# Altium PCB Layout.PcbDoc (part 1 of 4) (continued)
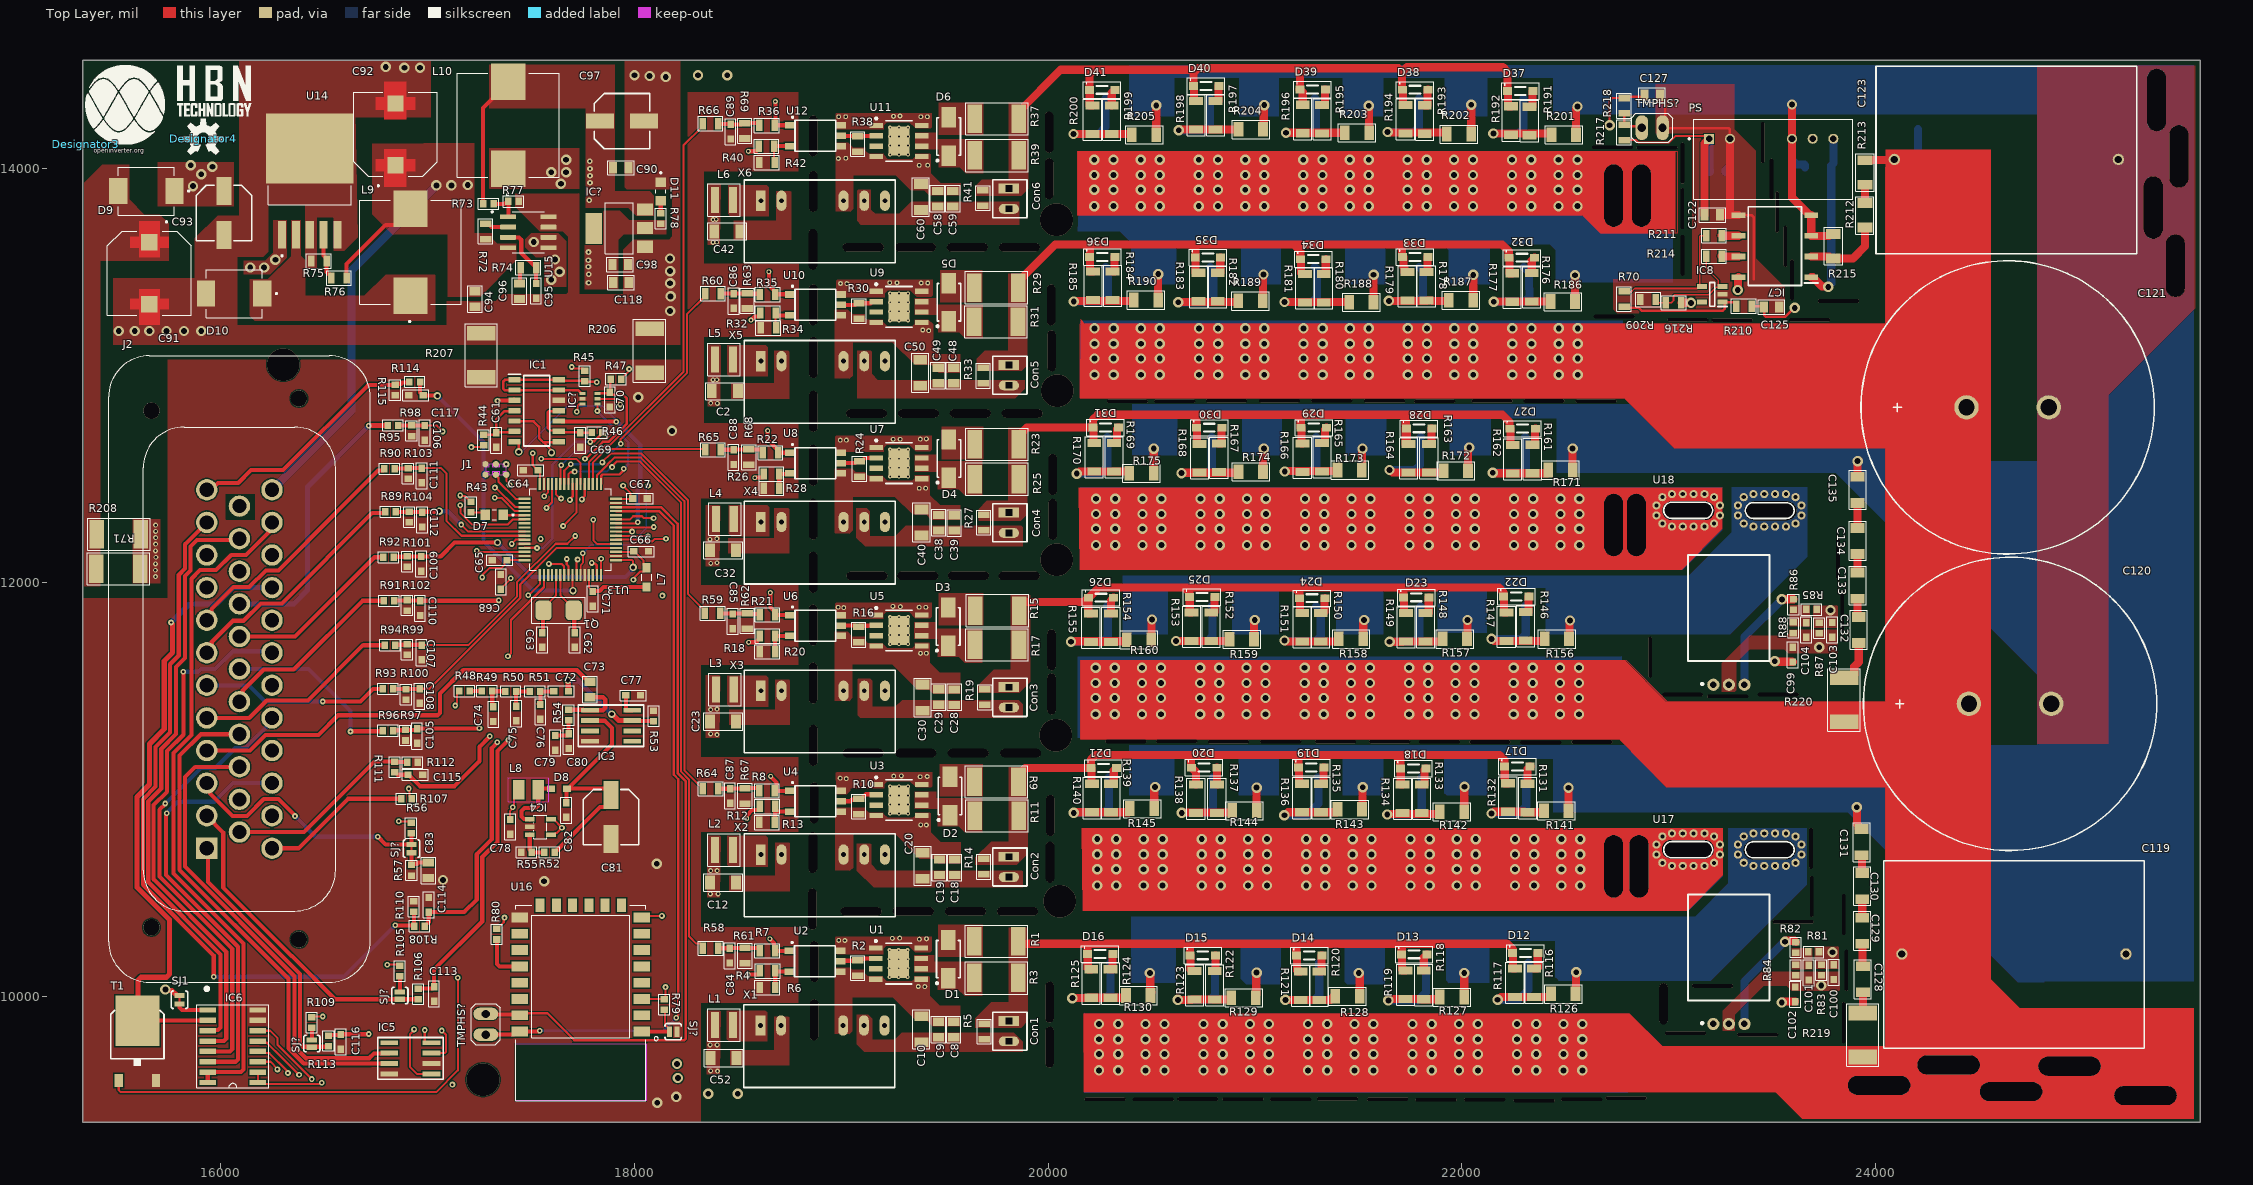
[diagram p0: Top Layer view]
## Components (designator, comment, footprint, x,y, rotation, side; value= is the part's Value field where it differs from the comment)
C1 "2.2u" C-0805 19185.44,9958.27 r0 bottom
C2 "4.7uF" C-1206 18437.81,12924.05 r180 top
C3 "4.7uF" C-1206 18665.34,9958.27 r180 bottom
C4 "2.2u" C-0805 19055.32,9958.27 r0 bottom
C5 "100n" C-0805 18999.02,10176.97 r90 bottom
C6 "uF" C-1206 19393.22,10163.87 r90 bottom
C7 "uF" C-1206 19086.57,10168.67 r90 bottom
C8 "10n" C-0805 19543.59,9838.64 r90 top
C9 "100n" C-0805 19470.43,9838.59 r90 top
C10 "4.7uF" C-1206 19387.8,9840 r270 top
C11 "2.2u" C-0805 19178.34,10774.13 r0 bottom
C12 "4.7uF" C-1206 18429.13,10549.21 r180 top
C13 "4.7uF" C-1206 18655.51,10788.39 r180 bottom
C14 "2.2u" C-0805 19050.34,10774.13 r0 bottom
C15 "100n" C-0805 19008.18,10941.89 r90 bottom
C16 "uF" C-1206 19090.46,10942.09 r90 bottom
C17 "uF" C-1206 19400.59,10945.87 r90 bottom
C18 "10n" C-0805 19548.65,10622.2 r90 top
C19 "100n" C-0805 19475.21,10622.2 r90 top
C20 "4.7uF" C-1206 19393.22,10629.93 r270 top
C21 "2.2u" C-0805 19177.17,11575.63 r0 bottom
C22 "4.7uF" C-1206 18680.01,11575.63 r180 bottom
C23 "4.7uF" C-1206 18428.94,11326.96 r180 top
C24 "2.2u" C-0805 19051.08,11575.63 r0 bottom
C25 "100n" C-0805 18999.02,11784.46 r90 bottom
C26 "uF" C-1206 19400.59,11764.77 r90 bottom
C27 "uF" C-1206 19091.27,11775.19 r90 bottom
C28 "10n" C-0805 19547.17,11445.04 r90 top
C29 "100n" C-0805 19470.76,11445.62 r90 top
C30 "4.7uF" C-1206 19393.34,11442.5 r270 top
C31 "2.2u" C-0805 19178.15,12382.87 r0 bottom
C32 "4.7uF" C-1206 18428.95,12154.43 r180 top
C33 "4.7uF" C-1206 18658.36,12391.34 r180 bottom
C34 "2.2u" C-0805 19043.31,12381.77 r0 bottom
C35 "100n" C-0805 19018.7,12575.94 r90 bottom
C36 "uF" C-1206 19090.63,12571.5 r90 bottom
C37 "uF" C-1206 19400.59,12573.98 r90 bottom
C38 "10n" C-0805 19471.05,12287.79 r90 top
C39 "100n" C-0805 19546.76,12286.76 r90 top
C40 "4.7uF" C-1206 19388.29,12288.91 r270 top
C41 "2.2u" C-0805 19170.31,13168.53 r0 bottom
C42 "4.7uF" C-1206 18449.84,13695.65 r180 top
C43 "4.7uF" C-1206 18663.38,13159.71 r180 bottom
C44 "2.2u" C-0805 19042.86,13168.53 r0 bottom
C45 "100n" C-0805 19005.22,13340.51 r90 bottom
C46 "uF" C-1206 19088.48,13323.82 r90 bottom
C47 "uF" C-1206 19411.4,13332.18 r90 bottom
C48 "10n" C-0805 19543.03,12999.16 r90 top
C49 "100n" C-0805 19468.36,12999.16 r90 top
C50 "4.7uF" C-1206 19382.14,13012.61 r270 top
C51 "2.2u" C-0805 19178.15,13943.95 r0 bottom locked
C52 "4.7uF" C-1206 18431.43,9700.87 r180 top
C53 "4.7uF" C-1206 18663.38,13945.56 r180 bottom locked
C54 "2.2u" C-0805 19045.81,13943.95 r0 bottom
C55 "100n" C-0805 18997.22,14155.47 r90 bottom locked
C56 "uF" C-1206 19087.5,14142.09 r90 bottom
C57 "uF" C-1206 19400.6,14130.27 r90 bottom locked
C58 "10n" C-0805 19465.84,13854.02 r90 top locked
C59 "100n" C-0805 19539.95,13854.02 r90 top locked
C60 "4.7uF" C-1206 19385.15,13861.43 r270 top locked
C61 "*" C-0603W 17332.82,12687.26 r270 top value=1µ
C62 "22Pf" C-0603W 17712.85,11721.27 r90 top
C63 "22Pf" C-0603W 17556.37,11721.25 r90 top
C64 "1uF" C-0603W 17499.53,12540.24 r0 top
C65 "1uF" C-0603W 17349.2,12106.98 r0 top
C66 "1uF" C-0603W 18033.1,12148.99 r180 top
C67 "1uF" C-0603W 18027.91,12404.83 r180 top
C68 "1uF" C-0603W 17355.28,12001.98 r270 top
C69 "*" C-0603W 17738.4,12687.26 r270 top value=1µ
C70 "*" C-0603W 17882.37,12882.63 r270 top value=1nF
C71 "1uF" C-0603W 17799.72,11920.22 r90 top
C72 "*" C-0603W 17646.42,11472.24 r0 top value=22n
C73 "*" C-0805 17786.32,11481.89 r90 top value=10µ
C74 "*" C-0603W 17319.65,11362.79 r270 top value=22n
C75 "*" C-0603W 17428.91,11365.95 r270 top value=22n
C76 "*" C-0603W 17546.31,11373.89 r270 top value=22n
C77 "*" C-0603W 17994.78,11453.38 r180 top value=1µ
C78 "*" C-0603W 17399.9,10818.53 r270 top value=1µ
C79 "*" C-0603W 17618.37,11224.41 r90 top value=22n
C80 "*" C-0603W 17682.84,11232.09 r90 top value=22n
C81 "470uF" CapSmdElc 17887.72,10864.79 r270 top
C82 "*" C-0603W 17671.77,10899.13 r90 top value=1µ
C83 "C-0805" C-0805 17005.1,10608.16 r90 top
C84 "150pF" C-0603W 18461.85,10195.67 r90 top
C85 "150pF" C-0603W 18476.74,11811.15 r90 top
C86 "150pF" C-0603W 18481.34,13359.25 r90 top
C87 "150pF" C-0603W 18463.41,10967.52 r90 top
C88 "150pF" C-0603W 18480.36,12604.4 r90 top
C89 "150pF" C-0603W 18465.59,14177.32 r90 top
C90 "22uF" C-0805 17935.45,14002.66 r180 top
C91 "330UF" CAP_EEETC1C331V#1 15656.89,13493.69 r270 top
C92 "330UF" CAP_EEETC1C331V#2 16846.14,14164.39 r90 top
C93 "100uF" CapSmdElc 16017.24,13784.05 r270 top
C94 "22uF" C-0805 17230.17,13369.12 r90 top
C95 "51pF" C-0603W 17526.1,13408.49 r90 top
C96 "10nF" C-0805 17445.39,13406.52 r90 top
C97 "100uF" CapSmdElc 17940.54,14228.32 r0 top
C98 "22uF" C-0805 17932.09,13535.46 r180 top
C99 "C-0603" C-0603W 23598.63,11650.3 r270 top
C100 "C-0603" C-0603W 23797.02,10116.07 r90 top
C101 "C-0603" C-0603W 23675.72,10113.6 r90 top
C102 "C-0603" C-0603W 23609.41,10008.83 r270 top
C103 "C-0603" C-0603W 23789.39,11770.06 r90 top
C104 "C-0603" C-0603W 23664.05,11769.66 r90 top
C105 "C-0603" C-0603W 16950.85,11256.97 r90 top
C106 "C-0603" C-0603W 16987.36,12722.34 r90 top
C107 "C-0603" C-0603W 16971.88,11660.53 r90 top
C108 "C-0603" C-0603W 16962.4,11450.08 r90 top
C109 "C-0603" C-0603W 16971.66,12089.36 r90 top
C110 "C-0603" C-0603W 16965.26,11874.94 r90 top
C111 "C-0603" C-0603W 16973.15,12515.64 r90 top
C112 "C-0603" C-0603W 16975.74,12302.93 r90 top
C113 "C-0603" C-0603W 17033.1,10010.58 r90 top
C114 "C-0603" C-0603W 17006.8,10441.33 r270 top
C115 "C-0603" C-0603W 16942.11,11069.7 r180 top
C116 "C-0603" C-0603W 16582.68,9779.29 r90 top
C117 "C-0603" C-0603W 16945.08,12902.75 r0 top
C118 "22uF" C-0805 17935.73,13448.7 r180 top
C119 "22uF 500V" "CAP.POL 22UF 500VDC - duplicate" 24125.98,10203.74 r0 top
C120 "400V 1000uf" "Koshin 63v 4700 cap" 24847.44,11412.4 r180 top
C121 "400V 1000uf" "Koshin 63v 4700 cap" 24835.67,12845.09 r180 top
C122 "C-0805" C-0805 23209.73,13775.09 r180 top
C123 "22uF 500V" "CAP.POL 22UF 500VDC - duplicate" 24089.57,14043.31 r0 top
C124 "C-0805" C-0805 23236.3,13983.02 r180 bottom
C125 "C-0805" C-0805 23495.8,13330.29 r180 top
C126 "uF" C-1206 23721.46,14004.92 r0 bottom
C127 "C-0805" C-0805 22919.29,14354.33 r180 top
C128 "uF" C-1206 23937.27,10081.69 r270 top
C129 "uF" C-1206 23934.06,10315.94 r270 top
C130 "uF" C-1206 23934.06,10531.5 r270 top
C131 "uF" C-1206 23931.1,10744.09 r270 top
C132 "uF" C-1206 23917.76,11769.45 r270 top
C133 "uF" C-1206 23911.86,11983.72 r270 top
C134 "uF" C-1206 23911.86,12199.79 r270 top
C135 "uF" C-1206 23911.86,12446.56 r270 top
C136 "uF" C-1206 24204.72,13454.46 r270 bottom
C137 "uF" C-1206 24204.33,13727.49 r270 bottom
C138 "uF" C-1206 24204.72,13990.9 r270 bottom
C139 "uF" C-1206 24204.35,14251.97 r270 bottom
Con1 "Connector2_1" Conn 19810.51,9878.87 r0 top
Con2 "Connector2_2" Conn 19810.51,10672.8 r0 top
Con3 "Connector2_1" Conn 19810.51,11492.28 r0 top
Con4 "Connector2_2" Conn 19810.51,12335.78 r0 top
Con5 "Connector2_1" Conn 19810.51,13048.99 r0 top
Con6 "Connector2_2" Conn 19810.51,13901.94 r0 top
D1 "do214" DO-214AC 19517.52,10178.54 r90 top
D2 "do214" DO-214AC 19525.71,10967.48 r90 top
D3 "do214" DO-214AC 19516.85,11785.44 r90 top
D4 "do214" DO-214AC 19520.45,12597.6 r90 top
D5 "do214" DO-214AC 19520.45,13353.35 r90 top
D6 "do214" DO-214AC 19519.48,14153.9 r90 top locked
D7 "ALIVE" LED_7012X1 17323.43,12325.59 r180 top
D8 "*" SOD-323F 17636.34,11002.58 r0 top value=SBR1A40S3-7
D9 "SK54" DIOM7959X265N 15641.94,13890.35 r180 top
D10 "SK54" DIOM7959X265N 16066.46,13395.08 r180 top
D11 "ALIVE" LED_7012X1 18127.99,13888.65 r270 top
D12 "1n4148" SOD123 22247.54,10206.69 r0 top locked
D13 "1n4148" SOD123 21710.3,10199.71 r0 top
D14 "1n4148" SOD123 21203.25,10193.9 r0 top
D15 "1n4148" SOD123 20688.52,10194.88 r0 top
D16 "1n4148" SOD123 20191.98,10201.62 r0 top
D17 "1n4148" SOD123 22209.06,11107.23 r0 top
D18 "1n4148" SOD123 21706.38,11098.21 r0 top
D19 "1n4148" SOD123 21212.91,11102.36 r0 top
D20 "1n4148" SOD123 20694.82,11102.22 r0 top
D21 "1n4148" SOD123 20208.81,11100.63 r0 top
D22 "1n4148" SOD123 22203.7,11929.13 r0 top
D23 "1n4148" SOD123 21720.71,11924.92 r0 top
D24 "1n4148" SOD123 21216.9,11920.61 r0 top
D25 "1n4148" SOD123 20684.87,11927.19 r0 top
D26 "1n4148" SOD123 20196.49,11923 r0 top
D27 "1n4148" SOD123 22234.22,12740.14 r0 top
D28 "1n4148" SOD123 21733.5,12741.64 r0 top
D29 "1n4148" SOD123 21225.08,12744.94 r0 top
D30 "1n4148" SOD123 20719.8,12744.33 r0 top
D31 "1n4148" SOD123 20219.25,12745.83 r0 top
D32 "1n4148" SOD123 22230.67,13565.94 r0 top
D33 "1n4148" SOD123 21714.88,13569.88 r0 top
D34 "1n4148" SOD123 21222.93,13559.06 r0 top
D35 "1n4148" SOD123 20713.47,13567.46 r0 top
D36 "1n4148" SOD123 20203.01,13570.06 r0 top
D37 "1n4148" SOD123 22222.85,14372.05 r0 top
D38 "1n4148" SOD123 21715.06,14377.95 r0 top
D39 "1n4148" SOD123 21218.8,14379.11 r0 top
D40 "1n4148" SOD123 20704.68,14396.08 r0 top
D41 "1n4148" SOD123 20201.92,14377.49 r0 top
Designator3 "Comment" OI_LOGO 15348.43,14116.14 r0 top
Designator4 "Comment" OSHW-LOGO-M 15916.92,14143.31 r0 top
IC1 "LM2901AVQDRQ1" SOIC127P600X175-14N 17528.11,12829.11 r0 top
IC3 "TDA2822D" SO08 17887.96,11306.69 r270 top
IC4 "MIC2288YD5" SOT23-5L 17546.05,10817.45 r270 top
IC5 "SN65HVD230DR" SO08 16918.22,9699.54 r90 top
IC6 "ULN2003AD" SO16 16060.1,9757.87 r90 top
IC7 "SI8920BC-IP" SOP254P965X419-8N 23511.81,13624.02 r180 top
IC8 "OPA344NA_250G4" SOT95P280X145-5N 23209.65,13391.73 r180 top
IC? "NC7SZ10P6X" SC70-6 17786.34,12886.65 r270 top
IC? "REG1117" SOT223 17927.68,13710.65 r90 top
J1 "TC2030_SWD-MCP" TC2030-MCP 17431.3,12545.32 r180 top
J2 "Conn Power HDR 35 POS" TE_776230-2 16091.93,11580.6 r90 top locked
L1 "47uH" WE-TPC_282892 18433.07,9861.45 r90 top
L2 "47uH" WE-TPC_282892 18433.07,10705.71 r90 top
L3 "47uH" WE-TPC_282892 18437.81,11481.53 r90 top
L4 "47uH" WE-TPC_282892 18437.81,12305.02 r90 top
L5 "47uH" WE-TPC_282892 18433.44,13075.6 r90 top
L6 "47uH" WE-TPC_282892 18433.44,13847.14 r90 top locked
L7 "10UH" INDC2012X87N 18059.73,12023.34 r270 top
L8 "*" L2825P 17488.71,10997.66 r0 top value=10µH
L9 "220uH" IND_MDH12577C-101MA=P3 16918.82,13595.08 r90 top
L10 "220uH" IND_MDH12577C-101MA=P3 17391.46,14208.31 r90 top
PS "R12P21503D" CONV_R12P21503D 23503.94,14044.8 r0 top
Q1 "Crystal 8MHz" 5032-2P 17707.3,11864.41 r180 top
Q2 "TO-263" DPAK_TO263 22420.45,9918.71 r270 bottom locked
Q3 "TO-263" DPAK_TO263 21915.51,9918.71 r270 bottom locked
Q4 "TO-263" DPAK_TO263 21410.56,9918.71 r270 bottom locked
Q5 "TO-263" DPAK_TO263 20905.61,9918.71 r270 bottom locked
Q6 "TO-263" DPAK_TO263 20400.67,9918.71 r270 bottom locked
Q7 "TO-263" DPAK_TO263 22410.51,10812.01 r270 bottom locked
Q8 "TO-263" DPAK_TO263 21905.56,10812.01 r270 bottom locked
Q9 "TO-263" DPAK_TO263 21401.6,10812.01 r270 bottom locked
Q10 "TO-263" DPAK_TO263 20896.65,10812.01 r270 bottom locked
Q11 "TO-263" DPAK_TO263 20391.71,10812.01 r270 bottom locked
Q12 "TO-263" DPAK_TO263 22403.94,11639.88 r270 bottom locked
Q13 "TO-263" DPAK_TO263 21898.99,11639.88 r270 bottom locked
Q14 "TO-263" DPAK_TO263 21394.05,11639.88 r270 bottom locked
Q15 "TO-263" DPAK_TO263 20889.1,11639.88 r270 bottom locked
Q16 "TO-263" DPAK_TO263 20384.16,11639.88 r270 bottom locked
Q17 "TO-263" DPAK_TO263 22405.87,12457.19 r270 bottom locked
Q18 "TO-263" DPAK_TO263 21900.92,12457.19 r270 bottom locked
Q19 "TO-263" DPAK_TO263 21395.98,12457.19 r270 bottom locked
Q20 "TO-263" DPAK_TO263 20891.03,12457.19 r270 bottom locked
Q21 "TO-263" DPAK_TO263 20386.08,12457.19 r270 bottom locked
Q22 "TO-263" DPAK_TO263 22398.24,13280.03 r270 bottom locked
Q23 "TO-263" DPAK_TO263 21893.3,13280.03 r270 bottom locked
Q24 "TO-263" DPAK_TO263 21388.35,13280.03 r270 bottom locked
Q25 "TO-263" DPAK_TO263 20883.4,13280.03 r270 bottom locked
Q26 "TO-263" DPAK_TO263 20378.46,13280.03 r270 bottom locked
Q27 "TO-263" DPAK_TO263 22396.54,14095.2 r270 bottom locked
Q28 "TO-263" DPAK_TO263 21891.6,14095.2 r270 bottom locked
Q29 "TO-263" DPAK_TO263 21387.64,14095.2 r270 bottom locked
Q30 "TO-263" DPAK_TO263 20882.69,14095.2 r270 bottom locked
Q31 "TO-263" DPAK_TO263 20377.74,14095.2 r270 bottom locked
R1 "10 1w" R-2512 19749.8,10264.76 r0 top
R2 "47k" R-0805 19079.93,10135.63 r90 top
R3 "10 1w" R-2512 19749.8,10087.99 r0 top
R4 "0" R-0805 18644.46,10122.02 r0 top
R5 "47k" R-0805 19691.07,9828.73 r90 top
R6 "0" R-0805 18642.78,10041.8 r0 top
R7 "0" R-0805 18642.79,10218.86 r0 top
R8 "0" R-0805 18641.74,10992.3 r0 top
R9 "10 1w" R-2512 19750.43,11035.57 r0 top
R10 "47k" R-0805 19085.34,10916.69 r90 top
R11 "10 1w" R-2512 19751.77,10871.07 r0 top
R12 "0" R-0805 18642.78,10916.69 r0 top
R13 "0" R-0805 18641.74,10839.57 r0 top
R14 "47k" R-0805 19689.3,10625.56 r90 top
R15 "10 1w" R-2512 19753.97,11863.2 r0 top
R16 "47k" R-0805 19085.34,11747.06 r90 top
R17 "10 1w" R-2512 19752.62,11697.43 r0 top
R18 "0" R-0805 18643.86,11740.51 r0 top
R19 "47k" R-0805 19694.37,11445.04 r90 top
R20 "0" R-0805 18642.79,11663.68 r0 top
R21 "0" R-0805 18643.87,11842.75 r0 top
R22 "0" R-0805 18658.36,12625.94 r0 top
R23 "10 1w" R-2512 19751.77,12667.09 r0 top
R24 "47k" R-0805 19088.48,12547.96 r90 top
R25 "10 1w" R-2512 19751.77,12499.02 r0 top
R26 "0" R-0805 18663.57,12523.36 r0 top
R27 "47k" R-0805 19689.31,12288.54 r90 top
R28 "0" R-0805 18663.57,12454.17 r0 top
R29 "10 1w" R-2512 19749.58,13424.21 r0 top
R30 "47k" R-0805 19086.06,13311.03 r90 top
R31 "10 1w" R-2512 19748.03,13259.24 r0 top
R32 "0" R-0805 18645.67,13301.35 r0 top
R33 "47k" R-0805 19686.02,12998.79 r90 top
R34 "0" R-0805 18647.96,13229.34 r0 top
R35 "0" R-0805 18644.39,13390.71 r0 top
R36 "0" R-0805 18640.77,14207.64 r0 top
R37 "10 1w" R-2512 19751.77,14240.51 r0 top
R38 "47k" R-0805 19080.26,14118.07 r90 top locked
R39 "10 1w" R-2512 19751.76,14062.49 r0 top locked
R40 "0" R-0805 18638.91,14107.64 r0 top
R41 "47k" R-0805 19684.93,13856.98 r90 top
R42 "0" R-0805 18640.77,14028.68 r0 top
R43 "510Ω" R-0603R 17211.37,12362.98 r90 top
R44 "*" R-0603R 17272.07,12687.26 r90 top value=10k
R45 "*" R-0603R 17760.82,12996.86 r90 top value=10k
R46 "*" R-0603R 17820.96,12723.88 r180 top value=10k
R47 "*" R-0603R 17911.35,12981.45 r0 top value=10k
R48 "*" R-0603R 17180.05,11474.52 r0 top value=510
R49 "*" R-0603R 17288.16,11474.38 r0 top value=10k
R50 "*" R-0603R 17403.31,11472.24 r0 top value=3k3
R51 "*" R-0603R 17520.46,11472.25 r0 top value=3k3
R52 "*" R-0603R 17590.34,10694.77 r0 top value=3k3
R53 "*" R-0603R 18093.28,11354.53 r270 top value=10k
R54 "*" R-0603R 17682.85,11358.46 r90 top value=10R
R55 "*" R-0603R 17480.11,10694.78 r0 top value=510
R56 "R-0603" R-0603R 16922.06,10811.74 r90 top
R57 "R-0603" R-0603R 16923.68,10608.16 r90 top
R58 "1KΩ" R-0805 18368.9,10231.1 r0 top
R59 "1KΩ" R-0805 18378.75,11849.89 r0 top
R60 "1KΩ" R-0805 18380.72,13395.18 r0 top
R61 "10KΩ" R-0805 18535.11,10195.67 r90 top
R62 "10KΩ" R-0805 18545.56,11813.38 r90 top
R63 "10KΩ" R-0805 18546.41,13360.39 r90 top
R64 "1KΩ" R-0805 18368.9,11001.94 r0 top
R65 "1KΩ" R-0805 18380.72,12640.91 r0 top
R66 "1KΩ" R-0805 18368.3,14216.44 r0 top
R67 "10KΩ" R-0805 18535.1,10967.69 r90 top
R68 "10KΩ" R-0805 18554.18,12604.4 r90 top
R69 "10KΩ" R-0805 18533.89,14181.96 r90 top
R70 "R-0805" R-0805 22783.52,13369.1 r270 top
R71 "10 1w" R-2512 15506.66,12065.81 r0 top
R72 "100KΩ" R-0805 17281.64,13695.65 r270 top
R73 "6.8KΩ" R-0603R 17295.42,13829.33 r180 top
R74 "10KΩ" R-0805 17487.91,13520.69 r0 top
R75 "RES SMD 1K OHM 1% 1/8W 0805" R-0805 16476.1,13552.75 r0 top
R76 "11KΩ" R-0805 16572.85,13470.27 r0 top
R77 "1.3KΩ" R-0603R 17417.05,13841.05 r180 top
R78 "510Ω" R-0603R 18127.99,13757.54 r270 top
R79 "R-0603" R-0603R 18144.96,9959.88 r270 top
R80 "R-0603" R-0603R 17335.26,10299.27 r270 top
R81 "R-0603" R-0603R 23699.76,10214.14 r180 top
R82 "R-0603" R-0603R 23613.25,10235.94 r90 top
R83 "R-0603" R-0603R 23737.2,10125.98 r90 top
R84 "R-0603" R-0603R 23613.36,10126.35 r90 top
R85 "R-0603" R-0603R 23689.05,11869.2 r180 top
R86 "R-0603" R-0603R 23602.36,11892.55 r90 top
R87 "R-0603" R-0603R 23726.99,11778.14 r90 top
R88 "R-0603" R-0603R 23601.29,11780.28 r90 top
R89 "R-0603" R-0603R 16822.06,12340.33 r0 top
R90 "R-0603" R-0603R 16816.33,12548.34 r0 top
R91 "R-0603" R-0603R 16815.3,11910.38 r0 top
R92 "R-0603" R-0603R 16813.03,12120.85 r0 top
R93 "R-0603" R-0603R 16810.83,11484.93 r0 top
R94 "R-0603" R-0603R 16819.06,11695.96 r0 top
R95 "R-0603" R-0603R 16834.42,12757.77 r0 top
R96 "R-0603" R-0603R 16809.4,11282.87 r0 top
R97 "R-0603" R-0603R 16894.49,11260.91 r90 top
R98 "R-0603" R-0603R 16924.25,12732.33 r90 top
R99 "R-0603" R-0603R 16902.24,11674.31 r90 top
R100 "R-0603" R-0603R 16897.11,11458.36 r90 top
R101 "R-0603" R-0603R 16902.76,12100.18 r90 top
R102 "R-0603" R-0603R 16902.24,11888.72 r90 top
R103 "R-0603" R-0603R 16907.2,12526.46 r90 top
R104 "R-0603" R-0603R 16912.74,12314.74 r90 top
R105 "R-0603" R-0603R 16867.13,10120.73 r90 top
R106 "R-0603" R-0603R 16956.78,10010.66 r90 top
R107 "R-0603" R-0603R 16899.42,10953.61 r0 top
R108 "R-0603" R-0603R 16961.53,10337.98 r0 top
R109 "R-0603" R-0603R 16441.93,9873.16 r90 top
R110 "R-0603" R-0603R 16933.97,10433.46 r270 top
R111 "R-0603" R-0603R 16842.32,11108.03 r270 top
R112 "R-0603" R-0603R 16927.95,11129.59 r180 top
R113 "R-0603" R-0603R 16522.64,9784.06 r90 top
R114 "R-0603" R-0603R 16939.32,12967.96 r0 top
R115 "R-0603" R-0603R 16844.52,12928.34 r90 top
R116 "11Ω" R-1206W 22348.5,10064.38 r270 top locked
R117 "22Ω" R-1206W 22255.98,10064.38 r270 top locked
R118 "11Ω" R-1206W 21815.51,10054.13 r270 top
R119 "22Ω" R-1206W 21726.88,10054.74 r270 top
R120 "11Ω" R-1206W 21310.03,10050.85 r270 top
R121 "22Ω" R-1206W 21220.81,10050.92 r270 top
R122 "11Ω" R-1206W 20805.61,10052.57 r270 top
R123 "22Ω" R-1206W 20707.78,10052.57 r270 top
R124 "11Ω" R-1206W 20301.51,10060.89 r270 top
R125 "22Ω" R-1206W 20208.64,10060.89 r270 top
R126 "R-1206" R-1206 22489.25,10010.85 r180 top
R127 "R-1206" R-1206 21951.77,9995.48 r180 top
R128 "R-1206" R-1206 21446.62,9999.04 r180 top
R129 "R-1206" R-1206 20944.52,9991.99 r180 top
R130 "R-1206" R-1206 20435.78,10003.28 r180 top
R131 "11Ω" R-1206W 22316.65,10957.25 r270 top
R132 "22Ω" R-1206W 22222.16,10960.12 r270 top
R133 "11Ω" R-1206W 21805.29,10954.27 r270 top
R134 "22Ω" R-1206W 21712.8,10954.27 r270 top
R135 "11Ω" R-1206W 21318.72,10957.44 r270 top
R136 "22Ω" R-1206W 21226.2,10957.44 r270 top
R137 "11Ω" R-1206W 20815.51,10954.58 r270 top
R138 "22Ω" R-1206W 20714.12,10954.35 r270 top
R139 "11Ω" R-1206W 20303.22,10957.68 r270 top
R140 "22Ω" R-1206W 20212.2,10957.68 r270 top
R141 "R-1206" R-1206 22455.68,10895.66 r180 top
R142 "R-1206" R-1206 21951.77,10891.63 r180 top
R143 "R-1206" R-1206 21457.44,10902.65 r180 top
R144 "R-1206" R-1206 20949,10896.89 r180 top
R145 "R-1206" R-1206 20454.04,10906.71 r180 top
R146 "11Ω" R-1206W 22307.99,11787.4 r270 top
R147 "22Ω" R-1206W 22214.53,11785.43 r270 top
R148 "11Ω" R-1206W 21824.04,11782.21 r270 top
R149 "22Ω" R-1206W 21729.56,11782.21 r270 top
R150 "11Ω" R-1206W 21317.24,11782.59 r270 top
R151 "22Ω" R-1206W 21227.96,11782.59 r270 top
R152 "11Ω" R-1206W 20788.66,11785.45 r270 top
R153 "22Ω" R-1206W 20693.24,11785.45 r270 top
R154 "11Ω" R-1206W 20303.18,11780.28 r270 top
R155 "22Ω" R-1206W 20206.8,11780.28 r270 top
R156 "R-1206" R-1206 22458.66,11726.38 r180 top
R157 "R-1206" R-1206 21965.56,11726.43 r180 top
R158 "R-1206" R-1206 21463.93,11726.43 r180 top
R159 "R-1206" R-1206 20935.32,11725.39 r180 top
R160 "R-1206" R-1206 20438.98,11722.44 r180 top
R161 "11Ω" R-1206W 22340.03,12595.45 r270 top
R162 "22Ω" R-1206W 22245.54,12594.47 r270 top
R163 "11Ω" R-1206W 21840.23,12599.41 r270 top
R164 "22Ω" R-1206W 21742.36,12599.41 r270 top
R165 "11Ω" R-1206W 21323.76,12603.81 r270 top
R166 "22Ω" R-1206W 21228.85,12602.34 r270 top
R167 "11Ω" R-1206W 20825.54,12601.33 r270 top
R168 "22Ω" R-1206W 20731.64,12599.86 r270 top
R169 "11Ω" R-1206W 20318.74,12604.5 r270 top
R170 "22Ω" R-1206W 20222.89,12604.5 r270 top
R171 "R-1206" R-1206 22475.75,12542.79 r180 top
R172 "R-1206" R-1206 21970.71,12538.69 r180 top
R173 "R-1206" R-1206 21457,12542.79 r180 top
R174 "R-1206" R-1206 20979.61,12534.9 r180 top
R175 "R-1206" R-1206 20451.42,12526.75 r180 top
R176 "11Ω" R-1206W 22337.15,13425.68 r270 top
R177 "22Ω" R-1206W 22243.15,13424.43 r270 top
R178 "11Ω" R-1206W 21827.77,13430.93 r270 top
R179 "22Ω" R-1206W 21736.4,13430.93 r270 top
R180 "11Ω" R-1206W 21331.81,13420.28 r270 top
R181 "22Ω" R-1206W 21241.14,13420.28 r270 top
R182 "11Ω" R-1206W 20819.53,13426.71 r270 top
R183 "22Ω" R-1206W 20726.76,13426.72 r270 top
R184 "11Ω" R-1206W 20311.39,13433.24 r270 top
R185 "22Ω" R-1206W 20216.79,13433.24 r270 top
R186 "R-1206" R-1206 22486.58,13356.79 r180 top
R187 "R-1206" R-1206 21994.97,13363.19 r180 top
R188 "R-1206" R-1206 21513.78,13353.35 r180 top
R189 "R-1206" R-1206 20977.74,13359.79 r180 top
R190 "R-1206" R-1206 20472.69,13364.35 r180 top
R191 "11Ω" R-1206W 22325.71,14229.33 r270 top
R192 "22Ω" R-1206W 22237.48,14231.26 r270 top
R193 "11Ω" R-1206W 21820.12,14236.17 r270 top
R194 "22Ω" R-1206W 21726.35,14238.19 r270 top
R195 "11Ω" R-1206W 21324.21,14237.07 r270 top
R196 "22Ω" R-1206W 21230.7,14239.04 r270 top
R197 "11Ω" R-1206W 20808.93,14256.93 r270 top
R198 "22Ω" R-1206W 20715.04,14257.61 r270 top
R199 "11Ω" R-1206W 20307.17,14235.49 r270 top
R200 "22Ω" R-1206W 20214.28,14235.5 r270 top
R201 "R-1206" R-1206 22492.05,14162.4 r180 top
R202 "R-1206" R-1206 21985.53,14166.34 r180 top
R203 "R-1206" R-1206 21492.52,14172.11 r180 top
R204 "R-1206" R-1206 20979.19,14188.71 r180 top
R205 "R-1206" R-1206 20463.67,14162.66 r180 top
R206 "10 1w" R-2512 18074.05,13118.37 r90 top
R207 "10 1w" R-2512 17259.94,13096.61 r90 top
R208 "10 1w" R-2512 15508.86,12232.77 r0 top
R209 "R-0805" R-0805 22899.54,13366.55 r180 top
R210 "R-0805" R-0805 23361.79,13334.65 r0 top
R211 "R-0805" R-0805 23217.81,13675.34 r0 top
R212 "R-1206" R-1206 23947.51,13773.75 r90 top
R213 "R-1206" R-1206 23947.83,13980.32 r90 top
R214 "R-0805" R-0805 23217.82,13575.89 r0 top
R215 "R-1206" R-1206 23794.88,13624.01 r270 top
R216 "R-0805" R-0805 23023.18,13350.74 r180 top
R217 "R-0805" R-0805 22783.52,14174.24 r90 top
R218 "R-0805" R-0805 22783.52,14302.82 r90 top
R219 "10 1w" R-2512 23937.28,9812.3 r270 top
R220 "10 1w" R-2512 23846.45,11432.4 r270 top
R221 "10 1w" R-2512 24206.69,13149.61 r270 bottom
SJ1 "SOLDERJUMPERTRACE" SJ_2S-TRACE 15802.17,9982.5 r90 top
SJ? "SOLDERJUMPERNO" SJ_2S-NO 18188.3,9828.36 r0 top
SJ? "SOLDERJUMPERTRACE" SJ_2S-TRACE 16923.62,10713.16 r90 top
SJ? "SOLDERJUMPERNO" SJ_2S-NO 16441.93,9770.84 r90 top
SJ? "SOLDERJUMPERNO" SJ_2S-NO 16867.13,10002.79 r90 top
T1 "AP9T18GH-HF" D-PAK_TO252AA 15598.43,9781.5 r0 top
TMPHS? "PINHD-1X2" 1X02 22919.28,14196.85 r0 top
TMPHS? "PINHD-1X2" 1X02 17282.76,9863.95 r270 top
U1 "IXDN614" "FAN3122 Soic8" 19277.56,10157.28 r0 top
U2 "TLP152" TLP152 18873.03,10158.86 r0 top
U3 "IXDN614" "FAN3122 Soic8" 19279.53,10947.83 r0 top
U4 "TLP152" TLP152 18875,10932.09 r0 top
U5 "IXDN614" "FAN3122 Soic8" 19279.53,11766.74 r0 top
U6 "TLP152" TLP152 18875,11780.51 r0 top
U7 "IXDN614" "FAN3122 Soic8" 19279.53,12575.94 r0 top
U8 "TLP152" TLP152 18875,12565.94 r0 top
U9 "IXDN614" "FAN3122 Soic8" 19279.53,13330.71 r0 top
U10 "TLP152" TLP152 18875,13330.71 r0 top
U11 "IXDN614" "FAN3122 Soic8" 19279.53,14132.24 r0 top locked
U12 "TLP152" TLP152 18875,14147.64 r0 top locked
U13 "STM32F103RBT6" QFP50P1200X1200X160-64N 17691.72,12254.98 r90 top
U14 "LM2576S-12/NOPB" VREG_TPS79625KTTR 16431.61,14097.05 r90 top
U15 "SR2803" SOP127P600X175-8N 17487.91,13691.73 r0 top
U16 "ESP8266-12E/ESP-12E" XCVR_ESP8266-12E/ESP-12E 17741.56,10104.46 r180 top
U17 "ACS758ECB-200B-PFF-T" ACS756SCA-050B-PFF-T_2 23093.11,10491.55 r0 top locked
U18 "ACS758ECB-200B-PFF-T" ACS756SCA-050B-PFF-T_2 23093.11,12130.91 r0 top locked
X1 "R24P21503D" SIP7 18609.65,9858.27 r90 top locked
X2 "R24P21503D" SIP7 18611.61,10684.06 r90 top locked
X3 "R24P21503D" SIP7 18611.61,11475.63 r90 top locked
X4 "R24P21503D" SIP7 18611.61,12291.34 r90 top locked
X5 "R24P21503D" SIP7 18611.61,13068.53 r90 top locked
X6 "R24P21503D" SIP7 18611.6,13843.95 r90 top locked

## Footprints (in the part's own frame and the unit in brackets; to place one, negate y for a bottom-side part, rotate by r counter-clockwise, add the part's x,y. Pads: shape width x height; smd on the part's side, far side on the other; paste and mask are expansions set on the pad)
1X02 [mil] "1X02"
  oval 60x120 / inner round 0 / far side oval 60x120 hole 40: 1(-50,0) 2(50,0)
  silkscreen extent -100,-71 100,70, body extent -80,-60 80,60, height 150
5032-2P [mm]
  rrect50% 2x2.4 smd: 1(0,0) 2(3.7,0)
  silkscreen extent -1.43,-1.6 5.12,1.58, body extent -0.7,-1.57 4.3,1.62, height 1.3
ACS756SCA-050B-PFF-T_2 [mm]
  round 1.5 hole 0.8: 1(3.09,-15.9) 2(5,-15.9) 3(6.91,-15.9)
  round 1 hole 0.5: 4(6.098,4.882) 4(6.098,6.118) 4(6.824,3.882) 4(6.824,7.118) 4(8,3.5) 4(8,7.5) 4(9.333,3.5) 4(9.333,7.5) 4(10.667,3.5) 4(10.667,7.5) 4(12,3.5) 4(12,7.5) 4(13.176,3.882) 4(13.176,7.118) 4(13.902,4.882) 4(13.902,6.118) 5(-3.902,4.882) 5(-3.902,6.118) 5(-3.176,3.882) 5(-3.176,7.118) 5(-2,3.5) 5(-2,7.5) 5(-0.667,3.5) 5(-0.667,7.5) 5(0.667,3.5) 5(0.667,7.5) 5(2,3.5) 5(2,7.5) 5(3.176,3.882) 5(3.176,7.118) 5(3.902,4.882) 5(3.902,6.118)
  silkscreen extent -3,-15.94 13.01,6.5, body extent -1.95,-16.37 12.05,6.27, height 7
C-0603W [mm] "capacitor 0603 wave soldering"
  rect 0.9x0.8 smd: 1(-0.9,0) 2(0.9,0)
  silkscreen extent -1.6,-0.65 1.6,0.67, body extent -0.8,-0.4 0.8,0.4, height 0.3
C-0805 [mm]
  rect 1x1.4 smd: 1(-0.95,0) 2(0.95,0)
  silkscreen extent -1.63,-0.87 1.63,0.87, body extent -1,-0.62 1,0.63, height 1.01
C-1206 [mm]
  rect 1.2x1.7 smd: 1(-1.6,0) 2(1.6,0)
  silkscreen extent -2.4,-1.05 2.37,1.05, body extent -1.6,-0.8 1.6,0.8, height 1
"CAP.POL 22UF 500VDC - duplicate" [mm]
  round 1.4 hole 0.9: 1(0,0) 2(27.5,0)
  silkscreen extent -2.25,-11.56 29.75,11.43, body extent -1.22,-6.45 28.77,6.55, height 23.01
CAP_EEETC1C331V#1 [mm]
  rect 2x2 smd paste-2 mask+0: 1(-3.8,0) 2(3.8,0)
  Top Layer region: -3.15,1.25 -1.95,1.25 -1.95,-1.25 -3.15,-1.25 -3.15,-2.35 -4.45,-2.35 -4.45,-1.25 -6.35,-1.25 -6.35,1.25 -4.45,1.25 -4.45,2.35 -3.15,2.35
  Top Layer region: 4.45,1.25 6.35,1.25 6.35,-1.25 4.45,-1.25 4.45,-2.35 3.15,-2.35 3.15,-1.25 1.95,-1.25 1.95,1.25 3.15,1.25 3.15,2.35 4.45,2.35
  silkscreen extent -6.4,-5.15 5.15,5.15, body extent -5.85,-5.15 5.85,5.15, height 10.52
CAP_EEETC1C331V#2 [mm]
  rect 2x2 smd paste-2 mask+0: 1(-3.8,0) 2(3.8,0)
  Top Layer region: 4.45,1.25 6.35,1.25 6.35,-1.25 4.45,-1.25 4.45,-2.35 3.15,-2.35 3.15,-1.25 1.95,-1.25 1.95,1.25 3.15,1.25 3.15,2.35 4.45,2.35
  Top Layer region: -3.15,1.25 -1.95,1.25 -1.95,-1.25 -3.15,-1.25 -3.15,-2.35 -4.45,-2.35 -4.45,-1.25 -6.35,-1.25 -6.35,1.25 -4.45,1.25 -4.45,2.35 -3.15,2.35
  Top Layer region: -3.05,1.35 -1.85,1.35 -1.85,-1.35 -3.05,-1.35 -3.05,-2.45 -4.55,-2.45 -4.55,-1.35 -6.45,-1.35 -6.45,1.35 -4.55,1.35 -4.55,2.45 -3.05,2.45
  Top Layer region: 4.55,1.35 6.45,1.35 6.45,-1.35 4.55,-1.35 4.55,-2.45 3.05,-2.45 3.05,-1.35 1.85,-1.35 1.85,1.35 3.05,1.35 3.05,2.45 4.55,2.45
  silkscreen extent -6.4,-5.15 5.15,5.15, body extent -5.85,-5.15 5.85,5.15, height 10.52
CapSmdElc [mm] "Aluminum Electrolytic Capacitor, Body 6.70x6.70x6.30mm, IPC Low Density"
  rect 3.45x1.85 smd: 1(-2.7,0) 2(2.7,0)
  silkscreen extent -3.4,-3.4 3.4,3.4, body extent -3.45,-3.27 3.55,3.32, height 6.92
Conn [mm]
  rect 2.5x1.2 hole 0.762 square: 1(0,0.025)
  oval 2.5x1.2 hole 0.762 square: 2(0,-2.475)
  silkscreen extent -1.96,-3.57 2.22,1.1, body extent -1.24,-3.74 1.3,1.34, height 8.15
CONV_R12P21503D [mm]
  rect 1.23x1.23 hole 0.82: 1(-7.85,2.5)
  round 1.23 hole 0.82: 2(-5.31,2.5) 5(2.31,2.5) 6(4.85,2.5) 7(7.39,2.5)
  silkscreen extent -10.4,-4.9 9.75,4.9, body extent -9.75,-4.9 9.75,4.9, height 12
D-PAK_TO252AA [mm] "D-PAK_TO252AA"
  rect 1x1.6 smd: 1(-2.28,-4.8) 3(2.28,-4.8)
  rect 5.4x6.2 smd: 4(0,2.5)
  silkscreen extent -3.28,-3.02 3.28,3.82, body extent -3.35,-4.82 3.15,3.88, height 2.3
DIOM7959X265N [mm]
  rect 2.25x3.18 smd: A(3.455,0) C(-3.455,0)
  silkscreen extent -5.3,-2.95 3.44,2.95, body extent -4.1,-2.95 3.84,2.95, height 2.62
DO-214AC [mm]
  rect 2.5x1.8 smd: a(2.35,0) k(-2.35,0)
  silkscreen extent -3.07,-1.45 2.3,1.51, body extent -2.77,-1.42 2.72,1.37, height 2.3
DPAK_TO263 [mm] "D2-PAK, 3-Pads, Body 7.93x8.70mm (max), IPC Medium Density"
  rect 3.81x2.32 smd: 1(-6.2,2.54) 2(-6.2,-2.54)
  rect 9.65x11 smd: 3(5,0)
  silkscreen extent -6.32,-5.35 -1.62,5.35, body extent -7.51,-4.98 8.16,5.02, height 4.81
"FAN3122 Soic8" [mm] "SOIC, 8-Leads, Body 4.95x3.95mm, Pitch 1.27mm, Thermal Pad 4.10x3.10mm, IPC Medium Density"
  rect 1.65x0.65 smd: 1(-2.8,1.905) 2(-2.8,0.635) 3(-2.8,-0.635) 4(-2.8,-1.905) 5(2.8,-1.905) 6(2.8,-0.635) 7(2.8,0.635) 8(2.8,1.905)
  rect 2.6x3.6 smd: 9(0,0)
  silkscreen extent -2.92,-2.5 1.6,2.9, body extent -3.12,-2.55 3.08,2.45, height 1.66
IND_MDH12577C-101MA=P3 [mm]
  rect 4.5x4.2 smd: 1(-5.35,0) 2(5.35,0)
  silkscreen extent -8.6,-6.25 6.4,6.25, body extent -6.36,-6.28 6.44,6.22, height 8
INDC2012X87N [mm]
  rect 1.15x1 smd: 1(-1.175,0) 2(1.175,0)
  silkscreen extent -0.4,-0.6 0.4,0.6, body extent -1,-0.62 1,0.63, height 1.03
"Koshin 63v 4700 cap" [mm]
  round 3 hole 2: 1(0,0) 2(10.1,0)
  silkscreen extent -12.95,-18 23.05,18, body extent -12.57,-17.42 22.42,17.57, height 50
L2825P [mil] "L2825P"
  rect 55.12x94.49 smd: 1(-47.24,0) 2(47.24,0)
  Top Layer keep-out lines w2: -97.36,-58.39 -97.36,58.39 97.36,58.39 97.36,-58.39 -97.36,-58.39
LED_7012X1 [mm]
  rect 1.15x1.3 smd: A(1.125,0) C(-1.125,0)
  silkscreen extent -2.4,-0.63 0.23,0.63, body extent -1,-0.62 1,0.62, height 0.73
OI_LOGO [mil] "OI_LOGO"
  silkscreen extent -1,-1 383,383
OSHW-LOGO-M [mil] "OSHW-LOGO-M"
  silkscreen extent -98,-78 98,98
QFP50P1200X1200X160-64N [mil]
  rect 58x11 smd: 1(-221,148) 2(-221,128) 3(-221,108) 4(-221,89) 5(-221,69) 6(-221,49) 7(-221,30) 8(-221,10) 9(-221,-10) 10(-221,-30) 11(-221,-49) 12(-221,-69) 13(-221,-89) 14(-221,-108) 15(-221,-128) 16(-221,-148) 33(221,-148) 34(221,-128) 35(221,-108) 36(221,-89) 37(221,-69) 38(221,-49) 39(221,-30) 40(221,-10) 41(221,10) 42(221,30) 43(221,49) 44(221,69) 45(221,89) 46(221,108) 47(221,128) 48(221,148)
  rect 11x58 smd: 17(-148,-221) 18(-128,-221) 19(-108,-221) 20(-89,-221) 21(-69,-221) 22(-49,-221) 23(-30,-221) 24(-10,-221) 25(10,-221) 26(30,-221) 27(49,-221) 28(69,-221) 29(89,-221) 30(108,-221) 31(128,-221) 32(148,-221) 49(148,221) 50(128,221) 51(108,221) 52(89,221) 53(69,221) 54(49,221) 55(30,221) 56(10,221) 57(-10,221) 58(-30,221) 59(-49,221) 60(-69,221) 61(-89,221) 62(-108,221) 63(-128,221) 64(-148,221)
  silkscreen extent -197,-197 197,197, body extent -236,-236 236,236, height 64
R-0603R [mm] "resistor 0603 reflow soldering"
  rect 0.8x0.9 smd: 1(-0.65,0) 2(0.65,0)
  silkscreen extent -1.25,-0.67 1.25,0.7, body extent -0.8,-0.4 0.8,0.4, height 0.45
R-0805 [mm]
  rect 0.8x1.4 smd: 1(-0.95,0) 2(0.95,0)
  silkscreen extent -1.53,-0.87 1.53,0.87, body extent -1,-0.62 1,0.62, height 0.56
R-1206 [mm]
  rect 1.2x1.8 smd: 1(-1.5,0) 2(1.5,0)
  silkscreen extent -2.32,-1.1 2.27,1.12, body extent -1.6,-0.78 1.6,0.83, height 0.56
R-1206W [mm] "resistor 1206 wave soldering"
  rect 1x1.7 smd: 1(-1.75,0) 2(1.75,0)
  silkscreen extent -2.52,-1.1 2.52,1.12, body extent -1.55,-0.77 1.55,0.78, height 0.55
R-2512 [mm]
  rect 1.8x3.5 smd: 1(-2.7,0) 2(2.7,0)
  silkscreen extent -3.83,-1.97 3.85,1.97, body extent -3.21,-1.57 3.09,1.58, height 0.59
SC70-6 [mm] "SC70-6"
  rect 0.4x0.75 smd paste+0: 1(-0.65,-0.925) 2(0,-0.925) 3(0.65,-0.925) 4(0.65,0.925) 5(0,0.925) 6(-0.65,0.925)
  body extent -1.03,-1.1 0.97,1, height 1.1
SIP7 [mm]
  rect 2.5x1.2 hole 0.6: 1(0,0)
  oval 2.5x1.2 hole 0.6: 2(0,-2.54) 5(0,-10.16) 6(0,-12.7) 7(0,-15.24)
  silkscreen extent -7.62,-16.51 2.54,2.03, body extent -7.24,-17.24 2.58,2.26, height 11.66
SJ_2S-NO [mil] "SJ_2S-NO"
  rect 25x50 smd paste+0: 1(-17.72,0) 2(17.72,0)
  silkscreen extent -40,-39 40,39
SJ_2S-TRACE [mil] "SJ_2S-TRACE"
  rect 25x50 smd paste+0: 1(-20,0) 2(20,0)
  Top Layer lines w8: -15,0 15,0
  silkscreen extent -42,-40 42,40
SO08 [mil] "SO08"
  rect 23.62x86.61 smd: 1(-75,-102.36) 2(-25,-102.36) 3(25,-102.36) 4(75,-102.36) 5(75,102.36) 6(25,102.36) 7(-25,102.36) 8(-75,102.36)
  silkscreen extent -100,-158 100,158, body extent -96,-119 100,123, height 79
SO16 [mil] "SO16"
  rect 26x80 smd: 1(-175,-121) 2(-125,-121) 3(-75,-121) 4(-25,-121) 5(25,-121) 6(75,-121) 7(125,-121) 8(175,-121) 9(175,121) 10(125,121) 11(75,121) 12(25,121) 13(-25,121) 14(-75,121) 15(-125,121) 16(-175,121)
  silkscreen extent -200,-173 200,174, body extent -200,-122 196,120, height 79
SOD123 [mm]
  rect 1.1x0.95 smd: a(3.063,0.05) k(-0.062,0.05)
  silkscreen extent -0.8,-0.95 3.8,1.05, body extent -0.38,-0.78 3.32,0.83, height 1.28
SOD-323F [mm] "SOD-323F"
  rect 1x0.8 smd: A(-1,0) C(1,0)
SOIC127P600X175-14N [mm]
  rect 1.525x0.65 smd: 1(-2.712,3.81) 2(-2.712,2.54) 3(-2.712,1.27) 4(-2.712,0) 5(-2.712,-1.27) 6(-2.712,-2.54) 7(-2.712,-3.81) 8(2.712,-3.81) 9(2.712,-2.54) 10(2.712,-1.27) 11(2.712,0) 12(2.712,1.27) 13(2.712,2.54) 14(2.712,3.81)
  silkscreen extent -3.47,-4.33 1.6,4.48, body extent -3.01,-4.32 3.01,4.34, height 1.75
SOP127P600X175-8N [mm]
  rrect25% 1.95x0.59 smd: 1(-2.48,1.905) 2(-2.48,0.635) 3(-2.48,-0.635) 4(-2.48,-1.905) 5(2.48,-1.905) 6(2.48,-0.635) 7(2.48,0.635) 8(2.48,1.905)
  silkscreen extent -4.53,-2.52 1.95,2.59, body extent -3,-2.42 3,2.42, height 2.1
SOP254P965X419-8N [mm]
  rect 1.7x0.7 smd: 1(-4.475,3.81) 2(-4.475,1.27) 3(-4.475,-1.27) 4(-4.475,-3.81) 5(4.475,-3.81) 6(4.475,-1.27) 7(4.475,1.27) 8(4.475,3.81)
  silkscreen extent -5.33,-4.82 3.27,4.82, body extent -4.82,-4.82 4.82,4.82, height 4.19
SOT23-5L [mil] "SOT23-5L"
  rect 21.65x47.24 smd: 1(-37.4,-51.18) 2(0,-51.18) 3(37.4,-51.18) 4(37.4,51.18) 5(-37.4,51.18)
  silkscreen extent -56,-32 56,32, body extent -59,-66 59,60, height 36
SOT95P280X145-5N [mm]
  rect 1.2x0.6 smd: 1(-1.25,0.95) 2(-1.25,0) 3(-1.25,-0.95) 4(1.25,-0.95) 5(1.25,0.95)
  silkscreen extent -1.85,-1.45 0.3,1.5, body extent -1.4,-1.45 1.4,1.45, height 1.2
SOT223 [mil] "SOT223"
  rect 59x79 smd: 1(-89,-124) 2(1,-124) 3(91,-124)
  rect 150x79 smd: 4(0,124)
  silkscreen extent -123,-68 123,68, body extent -123,-143 133,134, height 63
TC2030-MCP [mil] "TC2030-MCP"
  rrect100% 31x31 smd paste+0: 1(50,-25) 2(50,25) 3(100,-25) 4(100,25) 5(150,-25) 6(150,25)
  Top Layer keep-out region: 50,-9.5 65.5,-9.5 65.5,-25 84.5,-25 84.5,-9.5 115.5,-9.5 115.5,-25 134.5,-25 134.5,-9.5 150,-9.5 150,9.5 134.5,9.5 134.5,25 115.5,25 115.5,9.5 84.5,9.5 84.5,25 65.5,25 65.5,9.5 50,9.5 50,-9.5
TE_776230-2 [mm]
  rect 2.625x2.625 hole 1.75: 1(-22,4)
  round 2.625 hole 1.75: 2(-18,4) 3(-14,4) 4(-10,4) 5(-6,4) 6(-2,4) 7(2,4) 8(6,4) 9(10,4) 10(14,4) 11(18,4) 12(22,4) 13(-20,0) 14(-16,0) 15(-12,0) 16(-8,0) 17(-4,0) 18(0,0) 19(4,0) 20(8,0) 21(12,0) 22(16,0) 23(20,0) 24(-22,-4) 25(-18,-4) 26(-14,-4) 27(-10,-4) 28(-6,-4) 29(-2,-4) 30(2,-4) 31(6,-4) 32(10,-4) 33(14,-4) 34(18,-4) 35(22,-4)
  round 2 hole 2 unplated: ""(-33.2,-7.3) ""(-31.7,10.8) ""(31.7,10.8) ""(33.2,-7.3)
  silkscreen extent -39.45,-16.05 38.45,16.05, body extent -38.43,-15.96 38.47,16.14, height 30.48
TLP152 [mm] "SOTFL, 5-Leads, Body 3.75x7.20mm, Pitch 1.27mm, IPC Medium Density"
  rect 1.2x0.8 smd: 1(-3.15,1.524) 2(-3.15,-1.016) 3(3.15,-1.016) 4(3.15,0.254) 5(3.15,1.524)
  silkscreen extent -2.87,-1.65 2.5,2.61, body extent -3.39,-1.65 3.38,2.15, height 2.11
VREG_TPS79625KTTR [mm]
  rect 3.4x1 smd paste-3 mask+0: 1(-10.6,3.4) 2(-10.6,1.7) 3(-10.6,0) 4(-10.6,-1.7) 5(-10.6,-3.4)
  rect 8.6x10.7 smd paste-6 mask+0: 6(0,0)
  silkscreen extent -13.3,-5.08 -4.62,5.08, body extent -11.52,-5.1 2.83,5.06, height 4.78
WE-TPC_282892 [mm]
  rect 3.2x1 smd: 1(0,1.1) 2(0,-1.1)
  silkscreen extent -2,-2 2,2, body extent -1.58,-1.5 1.41,1.5, height 3
XCVR_ESP8266-12E/ESP-12E [mm]
  rect 2x1.2 smd: 1(-7.5,7) 2(-7.5,5) 3(-7.5,3) 4(-7.5,1) 5(-7.5,-1) 6(-7.5,-3) 7(-7.5,-5) 8(-7.5,-7) 15(7.5,-7) 16(7.5,-5) 17(7.5,-3) 18(7.5,-1) 19(7.5,1) 20(7.5,3) 21(7.5,5) 22(7.5,7)
  rect 1.1x1.7 smd: 9(-5,-8.5) 10(-3,-8.5) 11(-1,-8.5) 12(1,-8.5) 13(3,-8.5) 14(5,-8.5)
  Keep-Out Layer region: 8,8.51 -8.009,8.51 -8.009,15.5 8,15.5
  Keep-Out Layer region: 8,8.51 -8.009,8.51 -8.009,15.5 8,15.5
  silkscreen extent -9.5,-8.5 8,15.5, body extent -7.95,-8.55 8.05,15.45, height 3.01